# Altium PCB CL-HC-M-V2.1.PcbDoc (part 17 of 19)
Units mil, origin at the board's own origin, x right, y up, seen from the top; angles counter-clockwise.
Board outline 27559.06 x 27559.06 mil, 2 copper layers (TopLayer, BottomLayer); 704 components, 528 nets, 2453 pads, 1851 vias.
Unrouted connection lines stored in the file: 126.
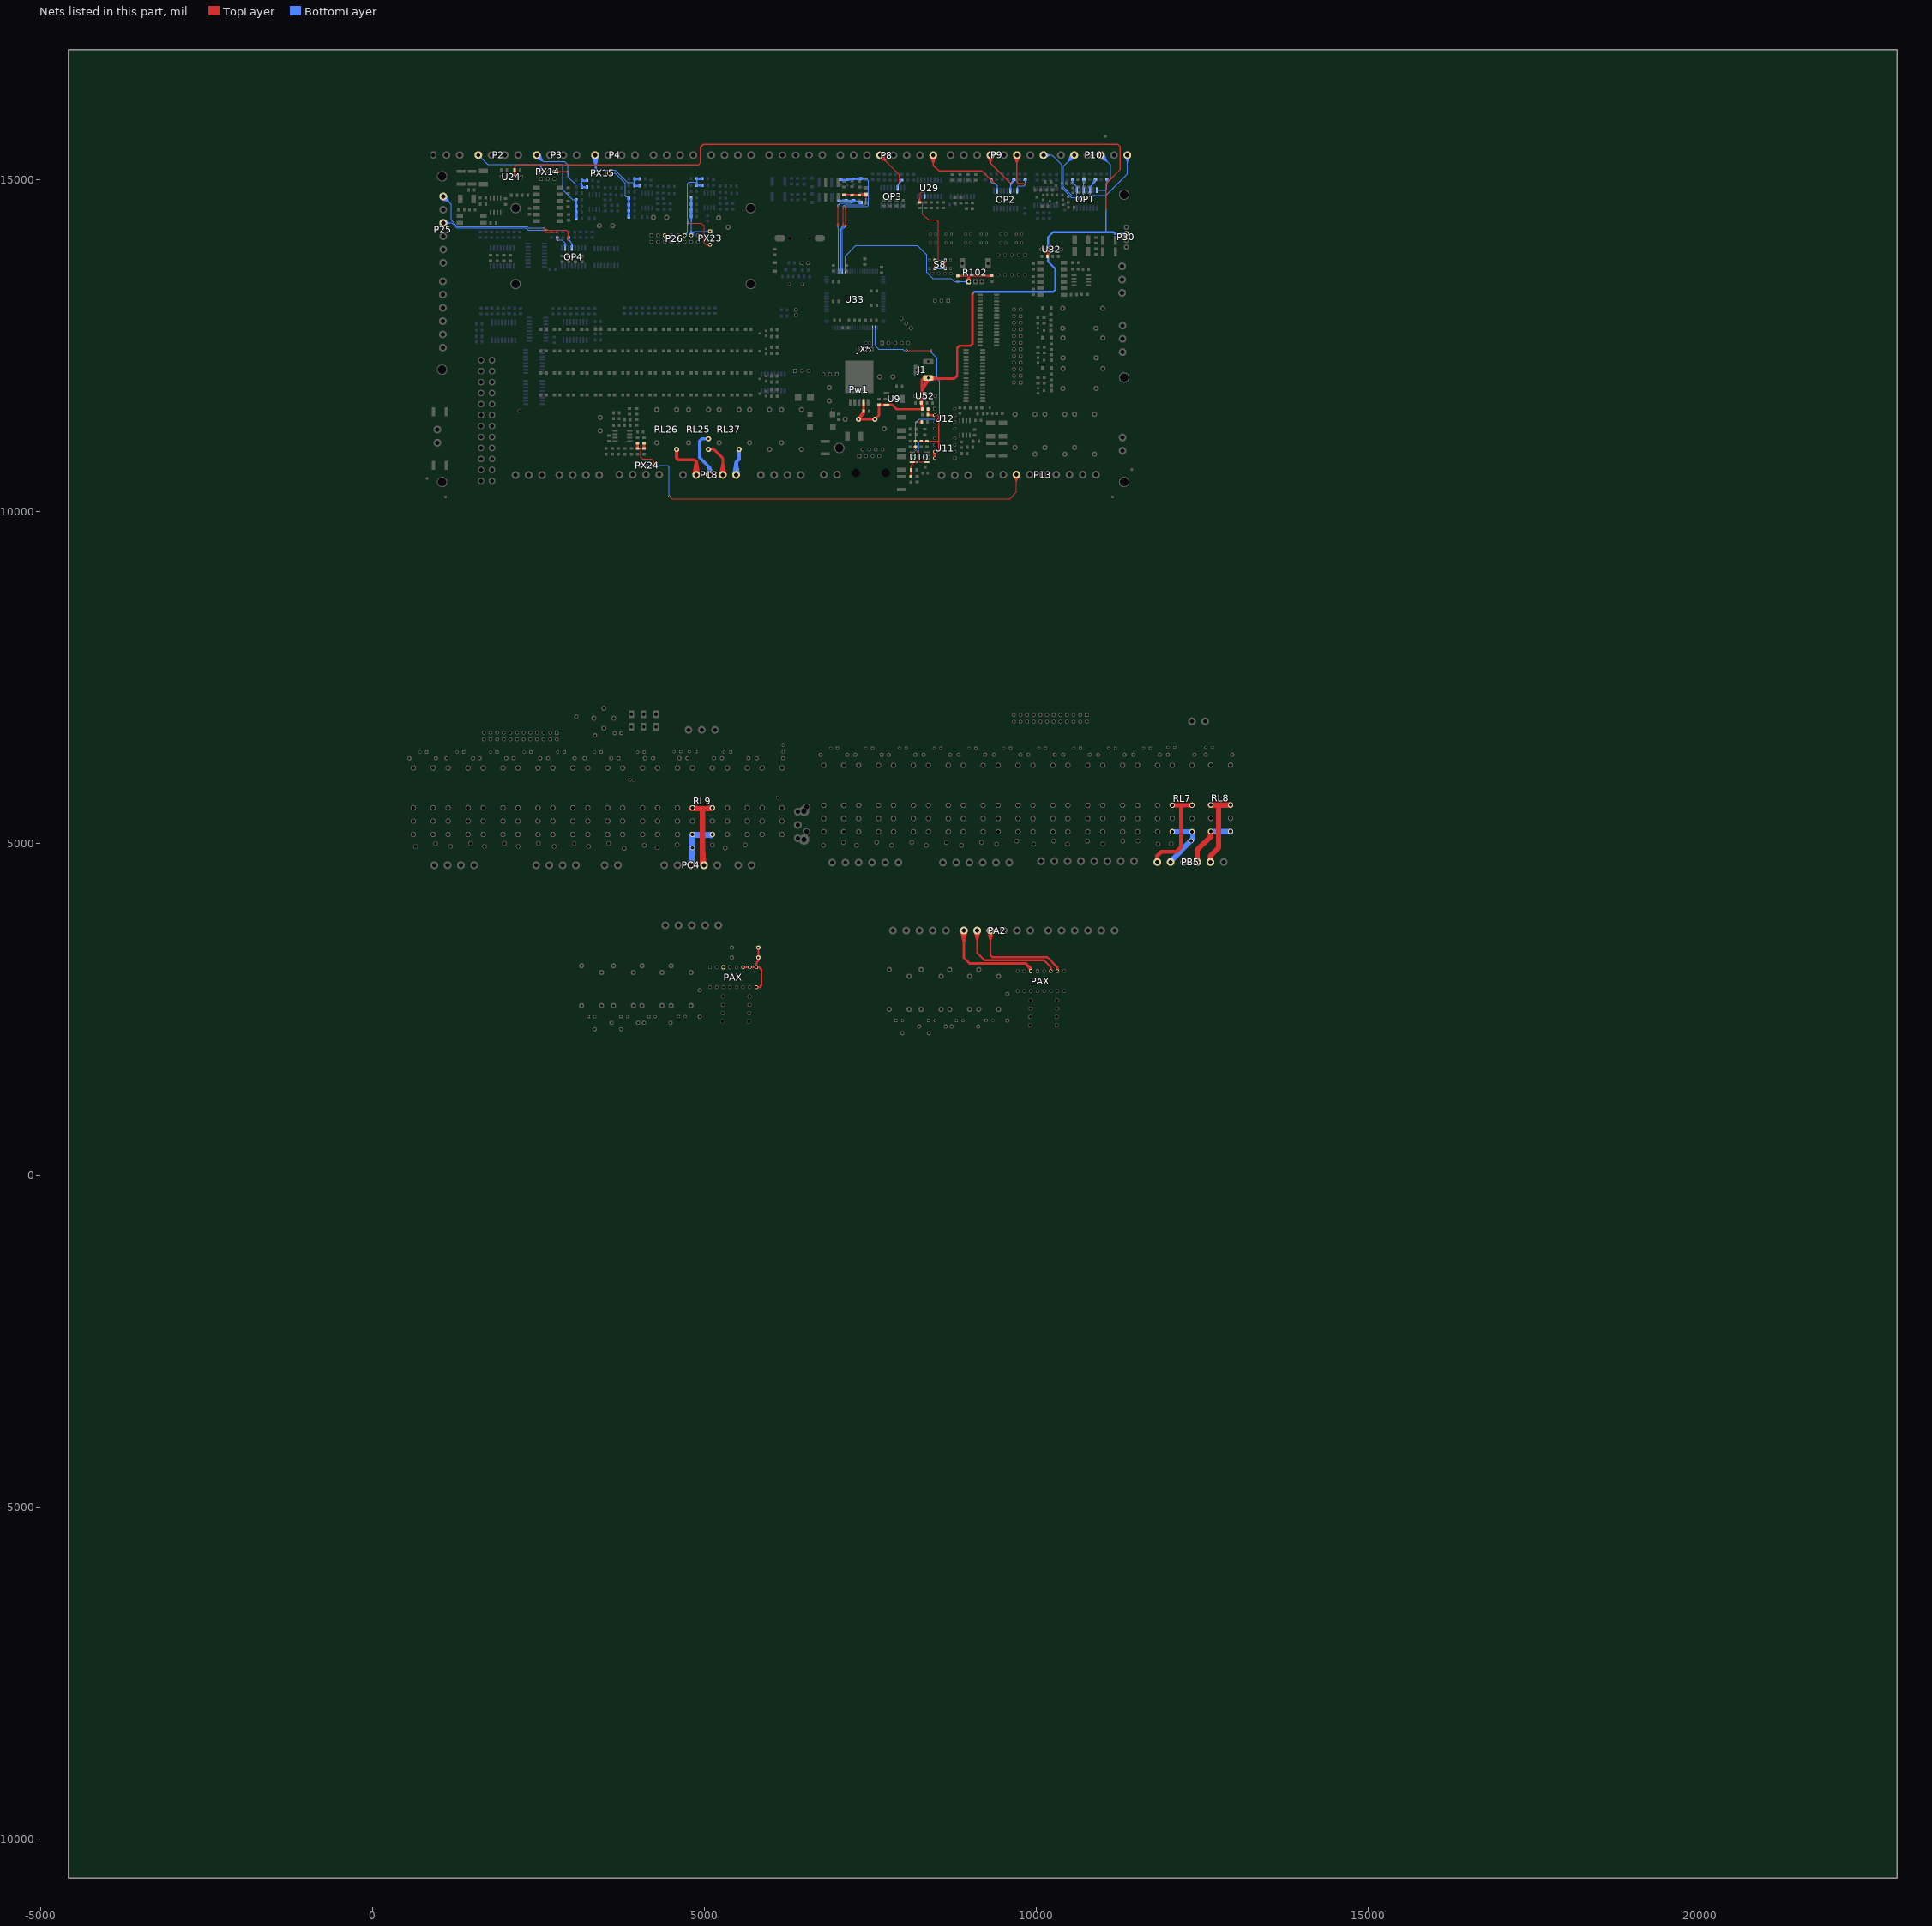
[diagram p17: the nets of this part, all layers, seen from the top]

## Via types
v1: diameter 25, hole 15, TopLayer to BottomLayer, tented both sides, 1813 vias
v2: diameter 20, hole 12, TopLayer to BottomLayer, tented both sides, 24 vias
v3: diameter 25, hole 15, TopLayer to BottomLayer, 13 vias
v4: diameter 40, hole 24, TopLayer to BottomLayer, tented both sides, 1 vias

## Nets (pads, with @x,y where several pads share a name; then routed paths per layer and width w, separated by ;. In a path a pad name is that pad's centre, name@x,y a point inside that pad or via, vN(x,y) a via of type N, cw(c..) or ccw(c..) an arc to the next point about the centre after c; other vN are vias at no path point) (continued)
STM32-TX4: R63.2 R160.2@8274.67,11348.36 U10.1 U33.111 | length 4475.9
  TopLayer w10: v1(8048.8,12429.09) v1(8420.23,12429.09) 8377.73,12429.09 ; v1@8049.46,12421.62 8091.3,12429.09 v1@8049.46,12436.56 ; v1@8419.57,12421.62 8377.73,12429.09 ; v1@8419.57,12436.56 8377.73,12429.09
  TopLayer w15: R63.2@8194.74,10971.31 v1(8182.38,10930.74) ; 8250.37,11340.42 v1(8192.38,11348.36) ; 8250.37,11356.3 v1(8192.38,11348.36) ; 8267.38,10743.36 U10.1@8324.38,10743.36 ; R160.2@8273.46,11335.92 8209.67,11348.36 ; R160.2@8273.46,11360.8 8209.67,11348.36 ; R160.2@8274.67,11348.36 v1(8192.38,11348.36) ; U10.1@8352.38,10743.36 8249.26,10743.36 8228.57,10764.05 8228.57,10884.55 v1(8182.38,10930.74) ; v1(8182.38,10930.74) R63.2@8182.38,10973.15 v1(8182.38,10930.74) ; v1(8182.38,10930.74) 8170.01,10971.31 v1(8182.38,10930.74) ; v1(8192.38,11348.36) 8209.67,11348.36 ; v1(8192.38,11348.36) 8209.67,11348.36
  BottomLayer w10: 7573.57,12703.25 U33.111@7573.57,12738 ; U33.111@7573.57,12768.25 7573.57,12498.54 7627.42,12444.69 7990.5,12444.69 8006.1,12429.09 v1(8048.8,12429.09) ; v1@8187.47,11354.03 8225.8,11382.24 ; v1@8198.11,11343.53 8225.8,11382.24 ; v1@8412.78,12428.21 8420.23,12396.87 ; v1(8420.23,12429.09) 8420.23,12396.87 ; v1@8427.68,12428.21 8420.23,12396.87 ; 8225.8,11382.24 v1(8192.38,11348.36) 8192.38,11348.82 8238.89,11395.33 8509.82,11395.33 8545.43,11430.93 8545.43,11960.54 8505.84,12000.12 8505.84,12311.26 8420.23,12396.87
  BottomLayer w15: v1(8182.38,10930.74) 8182.38,11338.36 v1(8192.38,11348.36) 8182.38,11283.34
STM32-TX5: JX5.2 U33.113 | length 700.3
  BottomLayer w10: JX5.2@7400.33,12462.44 7440.96,12489.33 ; JX5.2@7406.81,12454.58 7440.96,12489.33 ; JX5.2@7432.33,12441.38 7440.96,12489.33 ; JX5.2@7442.5,12440.63 7440.96,12489.33 ; 7534.2,12703.25 U33.113@7534.2,12738 ; U33.113@7534.2,12768.25 7534.2,12494.08 7529.45,12489.33 7440.96,12489.33 ; 7440.96,12489.33 7418.58,12466.95 JX5.2@7418.58,12446.05 7440.96,12489.33
VCC: C46.1 C47.1 C48.1 C54.2 C55.1 C83.2 J1.1 L1.2 P30.3 Pw1.4 R67.1 U9.3 U24.2 U32.2 U52.2 | length 24039.2
  TopLayer w20: U24.2@2140.38,15043.36 2140.38,15189.44 ; U24.2@2140.38,15058.36 C54.2@2140.38,15138.36 ; C54.2@2140.37,15152.69 2140.38,15189.44 ; v1(11051.45,14545.63) 11051.45,14940.34 11267.72,15156.61 11267.72,15494.54 11228.24,15534.03 4985.05,15534.03 4938.62,15487.6 4938.62,15253.93 4911,15226.3 2177.24,15226.3 2140.38,15189.44 ; U24.2@2140.37,15062.69 2140.37,15142.69 U24.2@2140.38,15062.69
  TopLayer w32: U24.2@2140.38,15043.36 C54.2@2140.37,15147.69 2140.38,15058.36 2140.37,15142.69 U24.2@2140.38,15043.36 ; C55.1@10171.91,13844.31 10171.91,13943.65 10171.91,13849.31 10178.34,13935.07 C55.1@10171.91,13844.31
  TopLayer w35: L1.2@7318.56,11388.36 L1.2@7322.38,11388.36 ; U9.3@7744.3,11606.04 7830.06,11606.04 ; U9.3@7761.8,11608.26 7636.8,11608.26 7718.71,11606.04 C48.1@7631.8,11608.26 7801.46,11608.26 7769.89,11606.04 7830.06,11606.04 ; 8160.55,11542.58 R67.1@8285.55,11542.58 R67.1@8277.95,11542.58 ; U52.2@8277.95,11754.99 8277.95,11879.99 ; J1.1@8353.08,12021.12 8277.95,11817.04 ; J1.1@8373.2,12012.54 8277.95,11817.04 ; J1.1@8392.35,12001.99 8277.95,11817.04 ; J1.1@8412.57,12012.54 8557.32,12002.86 ; J1.1@8412.76,11990.68 8557.32,12002.86 ; J1.1@8415.67,12034.19 8557.32,12002.86 ; 9038.5,13165.34 v1(9038.5,13282.84) 9038.5,12528.58 9008.71,12498.78 8842.76,12498.78 8810.14,12466.17 8810.14,12045.11 8767.9,12002.86 8293.99,12002.86 ; 7830.06,11606.04 7893.52,11542.58 R67.1@8277.95,11542.58 ; C83.2@8267.42,11630.59 8277.95,11599.99 8277.95,11724.99 C83.2@8267.42,11640.59 ; C83.2@8267.42,11630.59 R67.1@8277.95,11542.58 ; C83.2@8267.42,11630.59 8285.55,11547.58 8277.95,11673.45 C83.2@8267.42,11640.59 ; C83.2@8267.42,11640.59 U52.2@8277.95,11739.99 ; R67.1@8277.95,11542.58 U52.2@8277.95,11739.99 ; U52.2@8277.95,11739.99 8277.95,11986.83 ; 8277.95,11986.83 8293.99,12002.86 ; 8277.95,11986.83 8339.29,11991.37 8277.95,11986.83 ; 8277.95,11986.83 8321.3,12030.47 8277.95,11986.83 ; 8277.95,11986.83 J1.1@8333.83,12012.54 ; 8277.95,11986.83 J1.1@8333.83,12012.54 ; 8293.99,12002.86 8333.14,11990.69 8293.99,12002.86 ; 8293.99,12002.86 8323.18,12031.65 8293.99,12002.86 ; 8293.99,12002.86 J1.1@8333.83,12012.54 ; 8293.99,12002.86 J1.1@8333.83,12012.54
  TopLayer w40: L1.2@7318.56,11388.36 L1.2@7320.47,11390.27 ; 7394.06,11388.36 C46.1@7569.74,11388.36 ; C48.1@7631.8,11608.26 7631.8,11450.42 ; L1.2@7320.47,11390.27 7398.67,11468.47 ; L1.2@7320.47,11390.27 C47.1@7397.38,11508.36 ; L1.2@7322.38,11388.36 C46.1@7569.74,11388.36 ; L1.2@7322.38,11388.36 7398.67,11468.47 ; L1.2@7322.38,11388.36 C47.1@7397.38,11508.36 ; C47.1@7397.38,11508.36 7398.67,11468.47 ; C47.1@7397.38,11508.36 7398.67,11473.62 7398.67,11614.69 7397.38,11518.36 Pw1.4@7398.67,11642.84 7398.67,11468.47 ; C47.1@7397.38,11508.36 7398.67,11468.47 ; C47.1@7397.38,11508.36 7398.67,11468.47 ; C46.1@7569.74,11388.36 7631.8,11450.42 ; C46.1@7569.74,11388.36 7631.8,11450.42
  BottomLayer w20: v1(11051.45,14545.63) 11051.45,14219.41 11060.45,14210.41
  BottomLayer w30: v1(9038.5,13282.84) 9067.63,13311.96 10255.73,13311.96 10288.18,13344.4 10288.18,13656.2 10178.34,13766.04 U32.2@10178.34,13950.07 10178.34,14135.71 10253.03,14210.41 11060.45,14210.41 11163.81,14210.41 11189.23,14184.99 P30.3@11356.69,14184.99 ; 10178.34,13825.07 U32.2@10178.34,13935.07 ; U32.2@10178.34,13965.07 10178.34,14075.07 ; P30.3@11354.4,14160.73 11227.32,14184.99 P30.3@11354.4,14209.25
VCC-SEL: C53.2 R59.1 R62.1 R63.1 R66.2 R67.2 R159.1@8352.38,11058.36 U10.8 U11.7 U11.8 U12.2 | length 4480.6
  TopLayer w20: R59.1@8112.88,10541.04 C53.2@8112.88,10621.04 ; C53.2@8112.88,10631.04 8112.88,10683.86 ; R63.1@8182.38,11058.15 v1(8222.38,11058.15) ; R63.1@8187.38,11058.15 v1(8222.38,11058.15) ; R62.1@8262.38,11058.36 v1(8222.38,11058.15) ; R62.1@8267.37,11058.15 8347.38,11058.36 8272.38,11058.36 R159.1@8352.38,11058.15 ; R159.1@8357.38,11058.36 8437.38,11058.15 ; R66.2@8387.37,11450.04 8389.05,11448.36 ; 8447.01,11437.8 R66.2@8368.58,11454.06 ; U12.2@8450.37,11448.36 R66.2@8368.58,11459.06 ; U11.7@8457.4,10904.23 U11.8@8459.95,10818.77 ; U11.8@8457.43,10804.68 8472.38,10888.36 U11.8@8487.32,10804.68 ; U11.7@8457.43,10902.03 8472.38,10818.36 U11.7@8487.32,10902.03 ; U11.7@8457.78,10899.88 U11.8@8484.8,10818.77 ; U12.2@8471.02,11433.42 8389.05,11448.36 ; U11.8@8472.38,10803.36 U11.7@8472.38,10903.36 ; U11.7@8474.88,10888.57 8517.38,10903.36 ; U11.7@8474.88,10918.15 8517.38,10903.36 ; U12.2@8475.03,11433.59 8514.8,11448.36 ; U12.2@8475.03,11463.12 8514.8,11448.36 ; U11.7@8486.97,10899.88 U11.8@8459.95,10818.77 ; U11.7@8487.35,10904.23 U11.8@8484.8,10818.77 ; R59.1@8112.38,10528.36 8112.88,10528.86 C53.2@8112.88,10626.04 8112.88,10683.86 ; R59.1@8112.38,10528.36 8112.88,10608.36 R59.1@8112.38,10528.36 ; 8112.88,10683.86 8132.38,10703.36 U10.8@8132.38,10743.36 ; U10.8@8132.38,10743.36 v1(8197.38,10743.36) ; U10.8@8132.38,10743.36 v1(8197.38,10743.36) ; v1(8197.38,10743.36) 8160.38,10743.36 v1(8197.38,10743.36) ; v1(8222.38,11058.15) 8517.58,11058.15 8532.38,11043.36 ; R66.2@8368.58,11454.06 8389.05,11448.36 ; R66.2@8368.58,11454.06 8389.05,11448.36 ; R66.2@8368.58,11454.06 8389.05,11448.36 ; R66.2@8368.58,11454.06 8389.05,11448.36 ; R66.2@8368.58,11459.06 R66.2@8370.55,11461.02 ; R66.2@8368.58,11459.06 8471.02,11463.3 8389.05,11448.36 ; R66.2@8370.55,11461.02 R67.2@8370.55,11542.58 8368.58,11464.06 8370.55,11537.58 R66.2@8370.55,11461.02 ; 8389.05,11448.36 U12.2@8472.38,11448.36 8514.8,11448.36 ; U11.8@8459.95,10818.77 U11.7@8472.38,10903.36 ; U11.7@8472.38,10903.36 8517.38,10903.36 ; U11.7@8472.38,10903.36 U11.8@8484.8,10818.77 ; 8514.8,11448.36 8532.38,11430.79 8532.38,11043.36 ; 8517.38,10903.36 8532.38,10918.36 8532.38,11043.36
  BottomLayer w20: v1(8197.38,10743.36) 8222.38,10768.36 v1(8222.38,11058.15)
三角接法: PC4.2 RL9.5 | length 1761.8
  TopLayer w80: RL9.5@4809.78,5524.63 4971.29,5524.63 ; RL9.5@4821.23,5535.81 4971.29,5524.63 ; 4971.29,4981.15 PC4.2@4996.36,4672.36 ; PC4.2@4995.92,4683.67 4971.29,4708.31 4971.29,5524.63 ; RL9.5@5109.78,5524.63 4971.29,5524.63 ; RL9.5@5121.23,5535.81 4971.29,5524.63
中效: OP2.8 P9.6 R25.2 | length 1749.9
  TopLayer w20: P9.6@9662.72,15358.92 9710.72,15249.97 ; P9.6@9681.88,15365.48 9710.72,15249.97 ; P9.6@9710.72,15369.03 9710.72,14964.44 9734.75,14940.4 v1(9836.86,14940.4) 9764.36,14940.4 ; P9.6@9739.56,15365.48 9710.72,15249.97 ; P9.6@9758.72,15358.92 9710.72,15249.97
  BottomLayer w15: OP2.8@9712.76,14865.04 9714.85,14887.95 ; OP2.8@9714.85,14843.5 9714.85,14887.95 ; R25.2@9822.4,14997.3 9834.85,14933.5 R25.2@9847.29,14997.3 ; R25.2@9822.51,14996.75 v1(9836.86,14940.4) ; R25.2@9834.85,14998 v1(9836.86,14940.4) ; R25.2@9834.85,14998.5 9834.85,14921.76 ; R25.2@9847.26,14997.18 v1(9836.86,14940.4) ; 9714.85,14887.95 9731.03,14904.13 9817.22,14904.13 ; 9817.22,14904.13 9834.85,14921.76 ; 9817.22,14904.13 v1(9836.86,14940.4) ; 9834.85,14921.76 v1(9836.86,14940.4) ; 9834.85,14921.76 v1(9836.86,14940.4)
亚高效: OP2.6 P9.4 R27.2 | length 2114.9
  TopLayer w20: P9.4@9262.72,15358.92 9310.72,15249.97 ; P9.4@9281.88,15365.48 9310.72,15249.97 ; P9.4@9310.72,15369.03 9310.72,15248.49 v1(9623.09,14936.12) 9568.17,14991.05 ; P9.4@9339.56,15365.48 9310.72,15249.97 ; P9.4@9358.72,15358.92 9310.72,15249.97
  BottomLayer w15: OP2.6@9612.76,14865.04 9614.85,14923.5 ; OP2.6@9613.25,14878.71 v1(9623.09,14936.12) ; OP2.6@9614.85,14843.5 9614.85,14923.5 ; OP2.6@9614.85,14876.73 v1(9623.09,14936.12) ; R27.2@9644.34,14990.9 v1(9623.09,14936.12) ; R27.2@9648.32,15003.33 v1@9626.5,14935.16 ; R27.2@9654,14987.39 v1(9623.09,14936.12) ; R27.2@9659.85,14998.5 v1@9626.5,14935.16 ; R27.2@9663.43,14982.8 v1(9623.09,14936.12) ; R27.2@9670.36,14991.73 v1@9626.5,14935.16 ; 9614.85,14923.5 9664.85,14973.5 ; 9614.85,14923.5 v1(9623.09,14936.12) ; 9614.85,14923.5 v1(9623.09,14936.12) ; 9614.85,14923.5 v1(9623.09,14936.12) ; v1(9623.09,14936.12) 9664.85,14973.5 ; 9664.85,14973.5 R27.2@9664.85,14998.5 ; 9664.85,14973.5 9676.95,14995.37 9664.85,14973.5 ; 9664.85,14973.5 9652.74,14995.37 9664.85,14973.5 ; 9664.85,14973.5 R27.2@9664.85,14998.5 ; 9664.85,14973.5 R27.2@9664.85,14998.5
冷/热水: C17.2 C23.1 P4.4 PX15.3 R118.2 R121.2 | length 3378.6
  BottomLayer w15: PX15.3@3351.23,15116.05 3413.7,15147.76 ; PX15.3@3364.16,15098.22 3413.7,15147.76 ; PX15.3@3381.99,15085.29 3413.7,15147.76 ; R121.2@3933.76,15004.6 3946.15,14957.72 ; C23.1@3933.8,14918.1 3946.15,14957.72 ; C23.1@3946.15,14916.22 3946.15,14957.72 ; R121.2@3946.15,15016.22 C17.2@4011.13,15020.96 ; R121.2@3946.44,14993.72 C17.2@4011.13,15001.47 ; R121.2@3946.44,15028.71 C17.2@4011.13,15020.96 ; C23.1@3947.36,14898.77 4011.15,14911.22 C23.1@3947.36,14923.66 ; R121.2@3947.36,14998.77 4011.15,15011.22 R121.2@3947.36,15023.66 ; R121.2@3948.26,15003.89 C17.2@4011.13,15020.96 ; R121.2@3948.26,15018.54 C17.2@4011.13,15001.47 ; C23.1@3958.51,14918.1 3946.15,14957.72 ; R121.2@3958.55,15004.6 3946.15,14957.72 ; R118.2@4024.05,14903.89 C23.1@3961.18,14920.96 ; R118.2@4024.05,14918.54 C23.1@3961.18,14901.47 ; R118.2@4024.95,14898.77 3961.15,14911.22 R118.2@4024.95,14923.66 ; C17.2@4024.95,14998.77 3961.15,15011.22 C17.2@4024.95,15023.66 ; R118.2@4025.86,14893.72 C23.1@3961.18,14901.47 ; R118.2@4025.86,14928.71 C23.1@3961.18,14920.96 ; R118.2@4026.15,14906.22 C23.1@3961.18,14901.47 ; R118.2@4026.15,14911.22 C23.1@3946.15,14911.22 3946.15,14957.72 ; R118.2@4026.15,14916.22 C23.1@3961.18,14920.96 ; C17.2@4026.15,15011.22 R121.2@3946.15,15011.22 3946.15,14957.72 ; 3413.7,15147.76 3653.16,15147.76 3843.2,14957.72 3946.15,14957.72 ; 3946.15,14957.72 3946.15,15006.22 C17.2@4011.13,15001.47
  BottomLayer w30: P4.4@3310.88,15359.93 3364.16,15219.65 ; PX15.3@3364.16,15098.22 3364.16,15359.11 P4.4@3353.92,15369.36 3364.16,15219.65 ; P4.4@3397.84,15365.88 3364.16,15219.65
冷水阀执行: C12.2 C21.1 P3.4 PX14.3 R117.2 R119.2 | length 4062
  TopLayer w20: PX14.3@2739.14,15120.55 v1(2940.93,15120.55) ; PX14.3@2741.27,15101.14 2828.66,15120.55 PX14.3@2741.27,15139.96
  BottomLayer w15: P3.4@2445.6,15327.64 2564.87,15279.79 ; P3.4@2452.09,15341.41 2564.87,15279.79 ; P3.4@2460.09,15354.2 2564.87,15279.79 ; P3.4@2474,15370.67 2571.95,15272.72 2893.48,15272.72 2942.36,15223.85 2942.36,15045.04 3050.54,14936.86 3152.74,14936.86 ; P3.4@2490.47,15384.58 2564.87,15279.79 ; P3.4@2503.26,15392.58 2564.87,15279.79 ; P3.4@2517.03,15399.07 2564.87,15279.79 ; 2942.36,15062.99 v1(2940.93,15120.55) 2942.36,15178.11 ; R119.2@3140.35,14983.74 3152.74,14936.86 ; C21.1@3140.38,14897.24 3152.74,14936.86 ; C21.1@3152.74,14895.36 3152.74,14936.86 ; R119.2@3152.74,14995.36 C12.2@3217.71,15000.1 ; R119.2@3153.03,14972.86 C12.2@3217.71,14980.61 ; R119.2@3153.03,15007.85 C12.2@3217.71,15000.1 ; C21.1@3153.94,14877.91 3217.74,14890.36 C21.1@3153.94,14902.8 ; R119.2@3153.94,14977.91 3217.74,14990.36 R119.2@3153.94,15002.8 ; R119.2@3154.84,14983.03 C12.2@3217.71,15000.1 ; R119.2@3154.84,14997.68 C12.2@3217.71,14980.61 ; C21.1@3165.1,14897.24 3152.74,14936.86 ; R119.2@3165.14,14983.74 3152.74,14936.86 ; R117.2@3230.64,14883.03 C21.1@3167.77,14900.1 ; R117.2@3230.64,14897.68 C21.1@3167.77,14880.61 ; R117.2@3231.54,14877.91 3167.74,14890.36 R117.2@3231.54,14902.8 ; C12.2@3231.54,14977.91 3167.74,14990.36 C12.2@3231.54,15002.8 ; R117.2@3232.45,14872.86 C21.1@3167.77,14880.61 ; R117.2@3232.45,14907.85 C21.1@3167.77,14900.1 ; R117.2@3232.74,14885.36 C21.1@3167.77,14880.61 ; R117.2@3232.74,14890.36 C21.1@3152.74,14890.36 3152.74,14936.86 ; R117.2@3232.74,14895.36 C21.1@3167.77,14900.1 ; C12.2@3232.74,14990.36 R119.2@3152.74,14990.36 3152.74,14936.86 ; 3152.74,14936.86 3152.74,14985.36 C12.2@3217.71,14980.61
初效: OP1.4 P9.8 R21.2 | length 2263.8
  BottomLayer w15: P9.8@10110.72,15369.03 10237.44,15369.03 10386.07,15220.4 10386.07,14879.1 10530.24,14734.94 10697.99,14734.94 10713.86,14750.8 OP1.4@10713.86,14843.5 10713.86,14993.5 R21.2@10718.86,14998.5 10713.86,14932.88 ; P9.8@10112.95,15347.59 10214.78,15369.03 ; P9.8@10112.95,15390.47 10214.78,15369.03 ; P9.8@10117.14,15333.04 10214.78,15369.03 ; P9.8@10117.14,15405.01 10214.78,15369.03 ; P9.8@10123.49,15319.08 10214.78,15369.03 ; P9.8@10123.49,15418.98 10214.78,15369.03 ; R21.2@10706.36,14998.26 10713.86,14932.88 ; 10713.86,14753.5 OP1.4@10713.86,14813.5 ; OP1.4@10713.86,14873.5 10713.86,14933.5 ; R21.2@10731.18,14996.37 10713.86,14932.88
加湿器控制: C35.2 C42.1 P13.3 PX24.3 R138.2 R141.2 | length 9491.2
  TopLayer w15: R138.2@3974.15,11027.85 C42.1@3981.9,10963.16 ; C42.1@3979.21,10949.34 3991.65,11013.14 C42.1@4004.09,10949.34 ; R138.2@3979.21,11026.93 3991.65,10963.14 R138.2@4004.09,11026.93 ; R138.2@3984.33,11026.03 C42.1@4001.4,10963.16 ; R138.2@3986.65,11028.14 C42.1@3981.9,10963.16 ; R138.2@3991.65,11028.14 C42.1@3991.65,10948.14 v1(4041.21,10948.14) ; C42.1@3996.65,10948.14 v1(4041.21,10948.14) ; R138.2@3996.65,11028.14 C42.1@4001.4,10963.16 ; C42.1@3998.4,10935.76 v1(4041.21,10948.14) ; C42.1@3998.4,10960.51 v1(4041.21,10948.14) ; R138.2@3998.97,11026.03 C42.1@3981.9,10963.16 ; R138.2@4009.15,11027.85 C42.1@4001.4,10963.16 ; 4041.21,10890.64 v1(4041.21,10948.14) ; R141.2@4074.15,10948.43 C35.2@4081.9,11013.11 ; R141.2@4079.21,10949.34 4091.65,11013.14 R141.2@4104.09,10949.34 ; C35.2@4079.21,11026.93 4091.65,10963.14 C35.2@4104.09,11026.93 ; R141.2@4084.33,10950.24 C35.2@4101.4,11013.11 ; R141.2@4084.93,10935.76 v1(4041.21,10948.14) ; R141.2@4084.93,10960.52 v1(4041.21,10948.14) ; C35.2@4091.65,11028.14 R141.2@4091.65,10948.14 v1(4041.21,10948.14) ; R141.2@4096.65,10948.14 C35.2@4101.4,11013.11 ; R141.2@4098.97,10950.24 C35.2@4081.9,11013.11 ; R141.2@4109.15,10948.43 C35.2@4101.4,11013.11 ; PX24.3@4217.24,10695.64 4238.92,10754.38 ; PX24.3@4238.92,10691.76 4238.92,10754.38 ; PX24.3@4260.61,10695.64 4238.92,10754.38 ; v1@4471.63,10233.43 4514.25,10190.81 ; v1(4471.63,10233.83) 4514.25,10190.81 ; P13.3@9652.27,10540.89 9702.22,10449.61 ; P13.3@9666.23,10547.24 9702.22,10449.61 ; P13.3@9680.78,10551.43 9702.22,10449.61 ; P13.3@9702.22,10553.66 9702.22,10291.63 9601.4,10190.81 4514.25,10190.81 ; P13.3@9723.65,10551.43 9702.22,10449.61 ; P13.3@9738.2,10547.24 9702.22,10449.61 ; P13.3@9752.16,10540.89 9702.22,10449.61 ; v1(4041.21,10948.14) 4041.21,10819.85 4069.3,10791.76 4201.54,10791.76 4238.92,10754.38 ; v1(4041.21,10948.14) 4086.65,10948.14 C35.2@4081.9,11013.11
  BottomLayer w15: PX24.3@4238.92,10691.76 4444.99,10691.76 4471.63,10665.13 v1(4471.63,10233.83) ; PX24.3@4242.18,10669.98 4313.45,10691.76 PX24.3@4242.18,10713.55
变频值机: P18.3 RL25.5 | length 1051.6
  BottomLayer w50: P18.3@5044.21,10556.88 5077.86,10662.87 ; RL25.5@5062.76,11095.67 4963.68,11095.67 4930.38,11062.36 4930.38,10810.36 5077.86,10662.87 ; P18.3@5111.52,10556.88 5077.86,10662.87 ; 5077.86,10662.87 P18.3@5077.86,10551.66 5077.86,10662.87
变频全速: P18.2 RL25.4 | length 1058.2
  TopLayer w40: RL25.4@5062.76,10935.04 5145.7,10935.04 5277.86,10802.87 P18.2@5277.86,10551.66 5277.86,10730.72 ; P18.2@5239.04,10555.92 5277.86,10730.72 ; P18.2@5316.69,10555.92 5277.86,10730.72
变频备用: P18.1 RL37.3 | length 978.5
  BottomLayer w50: P18.1@5443.94,10554.68 5477.86,10743.85 ; P18.1@5511.78,10554.68 5477.86,10743.85 ; RL37.3@5522.76,10935.04 5522.76,10788.74 5477.86,10743.85 ; 5477.86,10743.85 P18.1@5477.86,10551.66 5477.86,10743.85
变频开启: P18.4 RL26.3 | length 1258.5
  TopLayer w50: RL26.3@4582.76,10935.04 4582.76,10805.46 4609.86,10778.36 4854.38,10778.36 4877.86,10754.87 ; P18.4@4843.93,10554.51 4877.86,10754.87 ; P18.4@4911.8,10554.51 4877.86,10754.87 ; 4877.86,10754.87 P18.4@4877.86,10551.66 4877.86,10754.87
变频控制电压选择: R83.2 S8.2 U29.14 | length 3791.4
  TopLayer w10: R83.2@8242.76,14660.04 8280.77,14660.04 ; R83.2@8247.76,14660.04 8280.77,14660.04 ; R83.2@8251.17,14645.43 8280.77,14660.04 ; R83.2@8251.17,14674.64 8280.77,14660.04 ; S8.2@8459.49,13662.25 8474.02,13709.76 ; S8.2@8459.49,13787.83 8474.02,13740.31 ; S8.2@8476.99,13775.61 8510.36,13790 ; S8.2@8476.99,13804.38 8510.36,13790 ; S8.2@8488.54,13662.25 8474.02,13709.76 ; S8.2@8488.54,13787.83 8474.02,13740.31 ; S8.2@8616.97,13662.25 8631.5,13709.76 ; S8.2@8616.97,13787.83 8631.5,13740.31 ; S8.2@8646.02,13662.25 8631.5,13709.76 ; S8.2@8646.02,13787.83 8631.5,13740.31 ; 8280.77,14660.04 8286.5,14654.31 8286.5,14482.37 8375.14,14393.73 8493.15,14393.73 8522.85,14364.03 8522.85,13802.48 8510.36,13790 ; 8474.02,13709.76 S8.2@8474.02,13660.08 S8.2@8474.02,13790 ; 8474.02,13740.31 S8.2@8474.02,13790 ; S8.2@8474.02,13790 8510.36,13790 ; S8.2@8474.02,13790 8510.36,13790 ; 8631.5,13709.76 S8.2@8631.5,13660.08 S8.2@8631.5,13790 8631.5,13740.31
  TopLayer w15: R83.2@8230.32,14661.24 8242.76,14725.04 ; R83.2@8255.2,14661.24 8242.76,14725.04 ; v1(8317.38,14822.95) 8270.98,14818.08 ; v1@8318.32,14818.08 8270.98,14818.08 ; 8242.76,14725.04 R83.2@8242.76,14660.04 8242.76,14789.86 8270.98,14818.08
  BottomLayer w10: S8.2@8476.19,13645.55 8523.7,13660.08 ; S8.2@8476.19,13674.6 8523.7,13660.08 ; S8.2@8476.19,13775.47 8523.7,13790 ; S8.2@8476.19,13804.52 8523.7,13790 ; S8.2@8629.33,13645.55 8581.81,13660.08 ; S8.2@8629.33,13674.6 8581.81,13660.08 ; S8.2@8629.33,13775.47 8581.81,13790 ; S8.2@8629.33,13804.52 8581.81,13790 ; 8523.7,13660.08 S8.2@8474.02,13660.08 S8.2@8631.5,13660.08 8581.81,13660.08 ; 8523.7,13790 S8.2@8474.02,13790 S8.2@8631.5,13790 8581.81,13790
  BottomLayer w15: U29.14@8317.38,14748.36 v1(8317.38,14822.95) ; U29.14@8317.38,14765.45 v1(8317.38,14822.95) ; v1@8318.32,14818.08 8318.32,14823.9 v1(8317.38,14822.95) ; v1(8317.38,14822.95) 8317.38,14773.36 v1(8317.38,14822.95)
回风压差: C14.1 DW5.K R8.1 R12.2 U33.44 | length 4341.3
  TopLayer w10: v1@7082.72,14307 7090.21,14348.84 ; v1@7082.73,14596.32 7090.21,14554.48 v1@7097.68,14596.32 ; v1(7090.21,14596.98) v1(7090.2,14306.34) 7090.21,14348.84 ; v1@7097.67,14307 7090.21,14348.84 ; DW5.K@7413.26,14775.58 v1(7433.73,14730.87) ; DW5.K@7422.83,14778.82 v1(7433.73,14730.87) ; v1@7426.25,14731.39 7432.89,14773.37 v1@7441.19,14731.68 ; v1@7426.3,14729.86 7424.24,14772.63 v1@7440.87,14733.17 ; v1@7426.27,14731.61 DW5.K@7433.73,14769.06 ; v1@7426.51,14732.89 7441.54,14772.87 v1@7441.2,14730.15 ; v1@7426.67,14728.35 7415.52,14770.65 v1@7440.26,14734.57 ; v1@7427.07,14734.31 7450.27,14771.12 v1@7440.89,14728.63 ; DW5.K@7427.76,14775.04 DW5.K@7433.73,14769.06 ; DW5.K@7432.76,14780.04 v1(7433.73,14730.87) ; v1@7441.2,14731.61 DW5.K@7433.73,14769.06 ; DW5.K@7442.73,14779.22 v1(7433.73,14730.87) ; DW5.K@7452.42,14776.36 v1(7433.73,14730.87) ; v1(7433.73,14730.87) DW5.K@7433.73,14769.06